# KiCad board lumpen.kicad_pcb (continued)
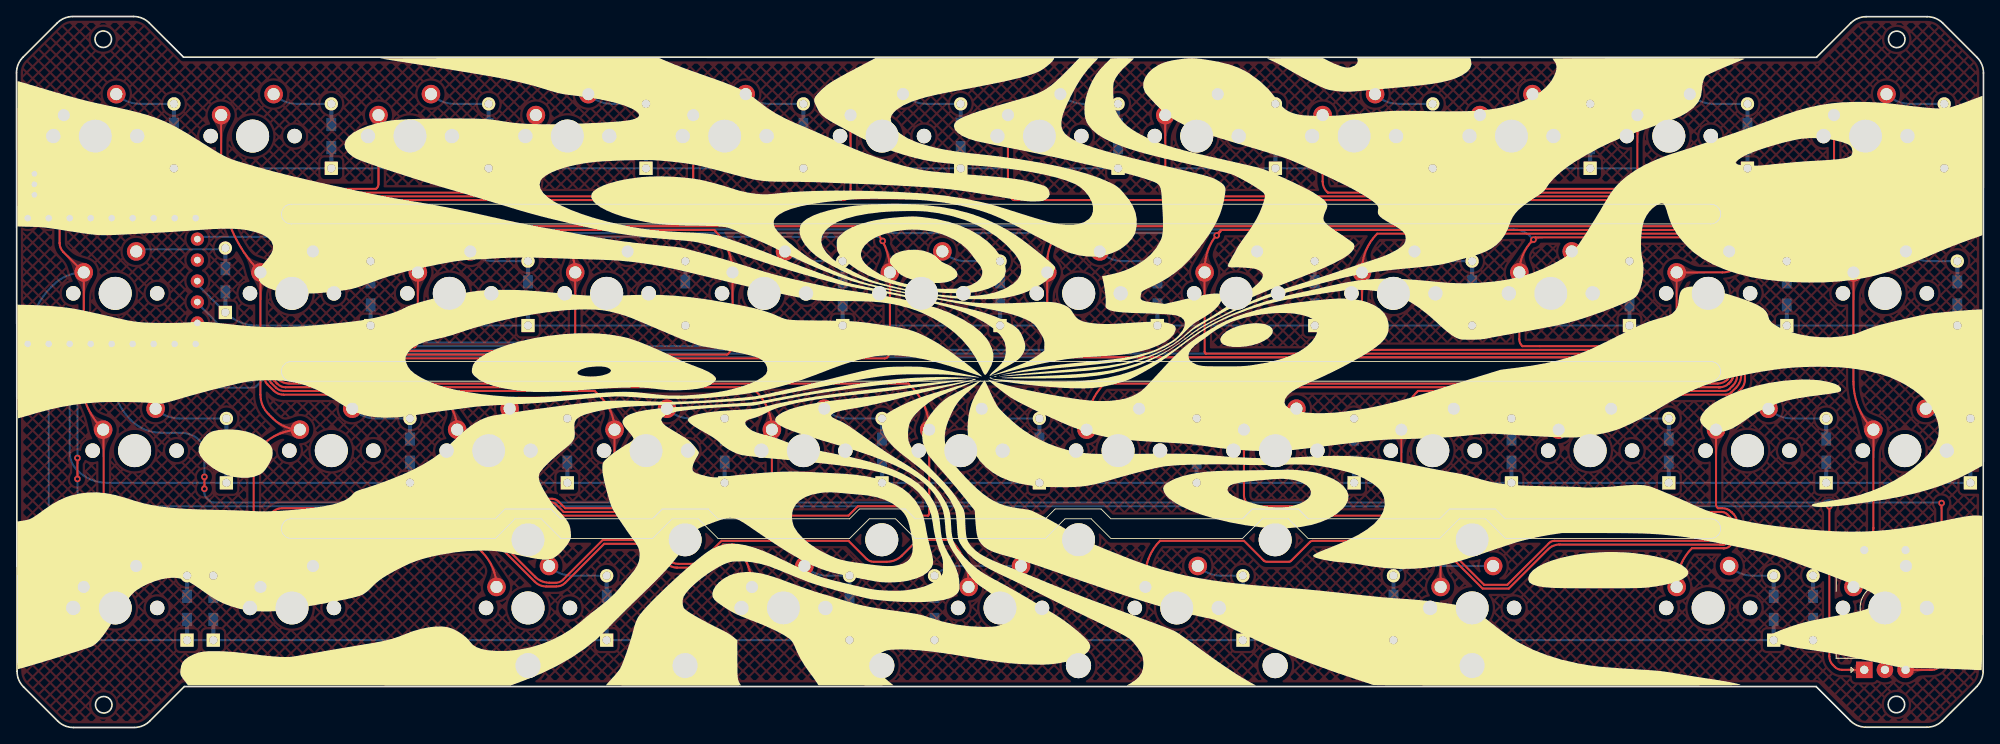
[diagram p0: board, top side]
## Copper pours and planes (outline as drawn; the poured copper is in the pictures) (continued)
ROW0 on Bottom: 230.98,67.61 231.13,67.6 231.27,67.6 231.4,67.59 231.52,67.58 231.63,67.57 231.73,67.55 231.83,67.54 231.92,67.51 232,67.49 232.08,67.46 232.17,67.43 232.25,67.4 232.33,67.36 232.41,67.32 232.9,67.07 233.02,67.01 233.77,67.73 233.02,68.45 232.9,68.39 232.41,68.14 232.33,68.1 232.25,68.07 232.17,68.03 232.08,68 232,67.97 231.92,67.95 231.83,67.93 231.73,67.91 231.63,67.89 231.52,67.88 231.4,67.87 231.27,67.86 231.13,67.86 230.98,67.86
ROW0 on Bottom: 17.47,67.61 17.66,67.6 17.81,67.57 17.94,67.53 18.05,67.47 18.14,67.41 18.24,67.33 18.33,67.26 18.44,67.17 18.56,67.09 18.71,67.01 19.46,67.73 18.71,68.45 18.56,68.37 18.44,68.29 18.33,68.21 18.24,68.13 18.14,68.05 18.05,67.99 17.94,67.93 17.81,67.89 17.66,67.87 17.47,67.86
ROW0 on Bottom: 16.67,67.61 16.82,67.6 16.96,67.6 17.09,67.59 17.21,67.58 17.32,67.57 17.42,67.55 17.51,67.54 17.6,67.51 17.69,67.49 17.77,67.46 17.85,67.43 17.93,67.4 18.02,67.36 18.1,67.32 18.59,67.07 18.71,67.01 19.46,67.73 18.71,68.45 18.59,68.39 18.1,68.14 18.02,68.1 17.93,68.07 17.85,68.03 17.77,68 17.69,67.97 17.6,67.95 17.51,67.93 17.42,67.91 17.32,67.89 17.21,67.88 17.09,67.87 16.96,67.86 16.82,67.86 16.67,67.86
ROW0 on Bottom: 211.15,67.86 210.96,67.87 210.81,67.89 210.68,67.93 210.57,67.99 210.48,68.05 210.38,68.13 210.29,68.21 210.18,68.29 210.06,68.37 209.91,68.45 209.16,67.73 209.91,67.01 210.06,67.09 210.18,67.17 210.29,67.26 210.38,67.33 210.48,67.41 210.57,67.47 210.68,67.53 210.81,67.57 210.96,67.6 211.15,67.61
ROW0 on Bottom: 231.78,67.61 231.97,67.6 232.12,67.57 232.25,67.53 232.36,67.47 232.46,67.41 232.55,67.33 232.64,67.26 232.75,67.17 232.87,67.09 233.02,67.01 233.77,67.73 233.02,68.45 232.87,68.37 232.75,68.29 232.64,68.21 232.55,68.13 232.46,68.05 232.36,67.99 232.25,67.93 232.12,67.89 231.97,67.87 231.78,67.86
ROW0 on Bottom: 20.65,67.86 20.46,67.87 20.31,67.89 20.18,67.93 20.07,67.99 19.98,68.05 19.88,68.13 19.79,68.21 19.68,68.29 19.56,68.37 19.41,68.45 18.66,67.73 19.41,67.01 19.56,67.09 19.68,67.17 19.79,67.26 19.88,67.33 19.98,67.41 20.07,67.47 20.18,67.53 20.31,67.57 20.46,67.6 20.65,67.61
ROW1 on Bottom: 23.43,52.29 23.34,52.39 23.25,52.48 23.17,52.57 23.1,52.65 23.03,52.73 22.97,52.81 22.92,52.89 22.87,52.96 22.83,53.03 22.8,53.11 22.77,53.18 22.74,53.26 22.73,53.34 22.71,53.42 22.7,53.51 22.69,53.6 22.69,53.7 22.69,53.81 22.69,53.92 22.69,54.04 21.73,54.44 21.37,53.47 21.48,53.37 21.59,53.29 21.69,53.22 21.79,53.15 21.88,53.09 21.97,53.04 22.05,52.99 22.38,52.8 22.46,52.76 22.55,52.7 22.63,52.65 22.73,52.58 22.82,52.51 22.92,52.43 23.03,52.34 23.14,52.23 23.26,52.12
ROW1 on Bottom: 24.07,51.3 24.2,51.17 24.29,51.04 24.35,50.92 24.38,50.8 24.41,50.69 24.42,50.57 24.43,50.45 24.45,50.31 24.48,50.17 24.53,50.01 25.57,49.99 25.54,51.02 25.38,51.07 25.24,51.1 25.1,51.12 24.98,51.13 24.86,51.15 24.75,51.17 24.63,51.21 24.51,51.27 24.39,51.36 24.25,51.48
ROW1 on Bottom: 40.48,48.56 40.63,48.55 40.77,48.55 40.9,48.54 41.02,48.53 41.13,48.52 41.23,48.5 41.33,48.49 41.42,48.46 41.5,48.44 41.58,48.41 41.67,48.38 41.75,48.35 41.83,48.31 41.91,48.27 42.4,48.02 42.52,47.96 43.27,48.68 42.52,49.4 42.4,49.34 41.91,49.09 41.83,49.05 41.75,49.02 41.67,48.98 41.58,48.95 41.5,48.92 41.42,48.9 41.33,48.88 41.23,48.86 41.13,48.84 41.02,48.83 40.9,48.82 40.77,48.81 40.63,48.81 40.48,48.81
ROW1 on Bottom: 26.62,49.43 26.47,49.52 26.36,49.62 26.28,49.72 26.23,49.82 26.19,49.93 26.16,50.04 26.14,50.16 26.11,50.29 26.07,50.43 26.02,50.59 24.98,50.53 25.08,49.5 25.25,49.46 25.4,49.44 25.54,49.43 25.78,49.42 25.9,49.41 26.03,49.39 26.17,49.35 26.33,49.3 26.5,49.21
ROW1 on Bottom: 233.37,48.56 233.56,48.55 233.71,48.52 233.84,48.48 233.95,48.42 234.04,48.36 234.14,48.28 234.23,48.21 234.34,48.12 234.46,48.04 234.61,47.96 235.36,48.68 234.61,49.4 234.46,49.32 234.34,49.24 234.23,49.16 234.14,49.08 234.04,49 233.95,48.94 233.84,48.88 233.71,48.84 233.56,48.82 233.37,48.81
ROW1 on Bottom: 212.73,48.56 212.92,48.55 213.07,48.52 213.2,48.48 213.31,48.42 213.41,48.36 213.5,48.28 213.59,48.21 213.7,48.12 213.82,48.04 213.97,47.96 214.72,48.68 213.97,49.4 213.82,49.32 213.7,49.24 213.59,49.16 213.5,49.08 213.41,49 213.31,48.94 213.2,48.88 213.07,48.84 212.92,48.82 212.73,48.81
ROW1 on Bottom: 215.91,48.81 215.72,48.82 215.57,48.84 215.44,48.88 215.33,48.94 215.24,49 215.15,49.08 215.05,49.16 214.94,49.24 214.82,49.32 214.67,49.4 213.92,48.68 214.67,47.96 214.82,48.04 214.94,48.12 215.05,48.21 215.15,48.28 215.24,48.36 215.33,48.42 215.44,48.48 215.57,48.52 215.72,48.55 215.91,48.56
ROW1 on Bottom: 41.28,48.56 41.47,48.55 41.62,48.52 41.75,48.48 41.86,48.42 41.96,48.36 42.05,48.28 42.14,48.21 42.25,48.12 42.37,48.04 42.52,47.96 43.27,48.68 42.52,49.4 42.37,49.32 42.25,49.24 42.14,49.16 42.05,49.08 41.96,49 41.86,48.94 41.75,48.88 41.62,48.84 41.47,48.82 41.28,48.81
ROW1 on Bottom: 27.34,49.11 27.2,49.16 27.08,49.21 26.97,49.27 26.87,49.32 26.79,49.37 26.71,49.43 26.63,49.49 26.57,49.55 26.51,49.61 26.46,49.67 26.41,49.74 26.36,49.82 26.32,49.9 26.28,49.98 26.24,50.07 26.2,50.16 26.07,50.47 26.02,50.59 24.98,50.53 25.08,49.5 25.21,49.46 26.4,49.16 26.49,49.13 26.6,49.1 26.71,49.06 26.83,49.02 26.96,48.98 27.1,48.93 27.25,48.88
ROW1 on Bottom: 23.5,51.87 23.61,51.76 23.71,51.66 23.79,51.56 23.87,51.47 23.94,51.39 24,51.3 24.05,51.22 24.1,51.14 24.14,51.07 24.18,50.99 24.22,50.91 24.25,50.83 24.28,50.74 24.31,50.66 24.48,50.13 24.53,50.01 25.57,49.99 25.54,51.02 25.42,51.07 24.89,51.24 24.81,51.27 24.72,51.3 24.64,51.33 24.56,51.37 24.48,51.41 24.41,51.45 24.33,51.5 24.25,51.55 24.16,51.61 24.08,51.68 23.99,51.76 23.89,51.84 23.79,51.94 23.68,52.05
ROW1 on Bottom: 232.57,48.56 232.72,48.55 232.86,48.55 232.99,48.54 233.11,48.53 233.22,48.52 233.32,48.5 233.41,48.49 233.5,48.46 233.59,48.44 233.67,48.41 233.75,48.38 233.83,48.35 233.92,48.31 234,48.27 234.49,48.02 234.61,47.96 235.36,48.68 234.61,49.4 234.49,49.34 234,49.09 233.92,49.05 233.83,49.02 233.75,48.98 233.67,48.95 233.59,48.92 233.5,48.9 233.41,48.88 233.32,48.86 233.22,48.84 233.11,48.83 232.99,48.82 232.86,48.81 232.72,48.81 232.57,48.81
ROW1 on Bottom: 45.26,48.81 45.11,48.81 44.97,48.81 44.84,48.82 44.72,48.83 44.61,48.84 44.51,48.86 44.42,48.88 44.33,48.9 44.24,48.92 44.16,48.95 44.08,48.98 44,49.02 43.92,49.05 43.83,49.09 43.34,49.34 43.22,49.4 42.47,48.68 43.22,47.96 43.34,48.02 43.83,48.27 43.92,48.31 44,48.35 44.08,48.38 44.16,48.41 44.24,48.44 44.33,48.46 44.42,48.49 44.51,48.5 44.61,48.52 44.72,48.53 44.84,48.54 44.97,48.55 45.11,48.55 45.26,48.56
ROW1 on Bottom: 211.93,48.56 212.08,48.55 212.22,48.55 212.35,48.54 212.47,48.53 212.58,48.52 212.68,48.5 212.78,48.49 212.87,48.46 212.95,48.44 213.03,48.41 213.12,48.38 213.2,48.35 213.28,48.31 213.36,48.27 213.85,48.02 213.97,47.96 214.72,48.68 213.97,49.4 213.85,49.34 213.36,49.09 213.28,49.05 213.2,49.02 213.12,48.98 213.03,48.95 212.95,48.92 212.87,48.9 212.78,48.88 212.68,48.86 212.58,48.84 212.47,48.83 212.35,48.82 212.22,48.81 212.08,48.81 211.93,48.81
ROW1 on Bottom: 22.87,52.86 22.76,52.98 22.68,53.1 22.64,53.2 22.62,53.31 22.61,53.41 22.62,53.52 22.64,53.63 22.66,53.76 22.68,53.89 22.69,54.04 21.73,54.44 21.37,53.47 21.52,53.35 21.65,53.27 21.78,53.21 21.9,53.16 22.02,53.11 22.14,53.07 22.26,53.01 22.39,52.93 22.54,52.83 22.69,52.68
ROW1 on Bottom: 44.46,48.81 44.27,48.82 44.12,48.84 43.99,48.88 43.88,48.94 43.79,49 43.7,49.08 43.6,49.16 43.49,49.24 43.37,49.32 43.22,49.4 42.47,48.68 43.22,47.96 43.37,48.04 43.49,48.12 43.6,48.21 43.7,48.28 43.79,48.36 43.88,48.42 43.99,48.48 44.12,48.52 44.27,48.55 44.46,48.56
ROW1 on Bottom: 216.71,48.81 216.56,48.81 216.42,48.81 216.29,48.82 216.17,48.83 216.06,48.84 215.96,48.86 215.87,48.88 215.78,48.9 215.69,48.92 215.61,48.95 215.53,48.98 215.45,49.02 215.37,49.05 215.28,49.09 214.79,49.34 214.67,49.4 213.92,48.68 214.67,47.96 214.79,48.02 215.28,48.27 215.37,48.31 215.45,48.35 215.53,48.38 215.61,48.41 215.69,48.44 215.78,48.46 215.87,48.49 215.96,48.5 216.06,48.52 216.17,48.53 216.29,48.54 216.42,48.55 216.56,48.55 216.71,48.56
ROW2 on Bottom: 6.57,44.86 6.58,45.05 6.6,45.2 6.65,45.33 6.7,45.44 6.77,45.54 6.84,45.63 6.92,45.73 7,45.83 7.08,45.96 7.16,46.11 6.44,46.85 5.72,46.11 5.8,45.96 5.89,45.83 5.97,45.73 6.05,45.63 6.12,45.54 6.18,45.44 6.24,45.33 6.28,45.2 6.31,45.05 6.32,44.86
ROW2 on Bottom: 23.82,29.51 24.01,29.5 24.16,29.47 24.29,29.43 24.4,29.37 24.49,29.31 24.59,29.23 24.68,29.16 24.79,29.07 24.91,28.99 25.06,28.91 25.81,29.63 25.06,30.35 24.91,30.27 24.79,30.19 24.68,30.11 24.59,30.03 24.49,29.95 24.4,29.89 24.29,29.83 24.16,29.79 24.01,29.77 23.82,29.76
ROW2 on Bottom: 23.02,29.51 23.17,29.5 23.31,29.5 23.44,29.49 23.56,29.48 23.67,29.47 23.77,29.45 23.86,29.44 23.95,29.41 24.04,29.39 24.12,29.36 24.2,29.33 24.28,29.3 24.37,29.26 24.45,29.22 24.94,28.97 25.06,28.91 25.81,29.63 25.06,30.35 24.94,30.29 24.45,30.04 24.37,30 24.28,29.97 24.2,29.93 24.12,29.9 24.04,29.87 23.95,29.85 23.86,29.83 23.77,29.81 23.67,29.79 23.56,29.78 23.44,29.77 23.31,29.76 23.17,29.76 23.02,29.76
ROW2 on Bottom: 217.49,29.51 217.68,29.5 217.84,29.47 217.96,29.43 218.07,29.37 218.17,29.31 218.26,29.23 218.36,29.16 218.46,29.07 218.59,28.99 218.74,28.91 219.48,29.63 218.74,30.35 218.59,30.27 218.46,30.19 218.36,30.11 218.26,30.03 218.17,29.95 218.07,29.89 217.96,29.83 217.84,29.79 217.68,29.77 217.49,29.76
ROW2 on Bottom: 216.69,29.51 216.85,29.5 216.99,29.5 217.12,29.49 217.23,29.48 217.34,29.47 217.44,29.45 217.54,29.44 217.63,29.41 217.71,29.39 217.8,29.36 217.88,29.33 217.96,29.3 218.04,29.26 218.12,29.22 218.61,28.97 218.74,28.91 219.48,29.63 218.74,30.35 218.61,30.29 218.12,30.04 218.04,30 217.96,29.97 217.88,29.93 217.8,29.9 217.71,29.87 217.63,29.85 217.54,29.83 217.44,29.81 217.34,29.79 217.23,29.78 217.12,29.77 216.99,29.76 216.85,29.76 216.69,29.76
ROW2 on Bottom: 234.96,29.51 235.14,29.5 235.3,29.47 235.43,29.43 235.53,29.37 235.63,29.31 235.72,29.23 235.82,29.16 235.93,29.07 236.05,28.99 236.2,28.91 236.95,29.63 236.2,30.35 236.05,30.27 235.93,30.19 235.82,30.11 235.72,30.03 235.63,29.95 235.53,29.89 235.43,29.83 235.3,29.79 235.14,29.77 234.96,29.76
ROW2 on Bottom: 220.67,29.76 220.49,29.77 220.33,29.79 220.21,29.83 220.1,29.89 220,29.95 219.91,30.03 219.81,30.11 219.71,30.19 219.58,30.27 219.43,30.35 218.68,29.63 219.43,28.91 219.58,28.99 219.71,29.07 219.81,29.16 219.91,29.23 220,29.31 220.1,29.37 220.21,29.43 220.33,29.47 220.49,29.5 220.67,29.51
ROW2 on Bottom: 221.47,29.76 221.32,29.76 221.18,29.76 221.05,29.77 220.93,29.78 220.83,29.79 220.72,29.81 220.63,29.83 220.54,29.85 220.45,29.87 220.37,29.9 220.29,29.93 220.21,29.97 220.13,30 220.05,30.04 219.55,30.29 219.43,30.35 218.68,29.63 219.43,28.91 219.55,28.97 220.05,29.22 220.13,29.26 220.21,29.3 220.29,29.33 220.37,29.36 220.45,29.39 220.54,29.41 220.63,29.44 220.72,29.45 220.83,29.47 220.93,29.48 221.05,29.49 221.18,29.5 221.32,29.5 221.47,29.51
ROW2 on Bottom: 27.8,29.76 27.65,29.76 27.51,29.76 27.38,29.77 27.26,29.78 27.15,29.79 27.05,29.81 26.95,29.83 26.86,29.85 26.78,29.87 26.7,29.9 26.62,29.93 26.53,29.97 26.45,30 26.37,30.04 25.88,30.29 25.76,30.35 25.01,29.63 25.76,28.91 25.88,28.97 26.37,29.22 26.45,29.26 26.53,29.3 26.62,29.33 26.7,29.36 26.78,29.39 26.86,29.41 26.95,29.44 27.05,29.45 27.15,29.47 27.26,29.48 27.38,29.49 27.51,29.5 27.65,29.5 27.8,29.51
ROW2 on Bottom: 6.57,44.06 6.57,44.22 6.57,44.36 6.58,44.49 6.59,44.6 6.6,44.71 6.62,44.81 6.64,44.91 6.66,45 6.68,45.08 6.71,45.17 6.74,45.25 6.78,45.33 6.81,45.41 6.85,45.49 7.1,45.98 7.16,46.11 6.44,46.85 5.72,46.11 5.78,45.98 6.03,45.49 6.07,45.41 6.11,45.33 6.14,45.25 6.17,45.17 6.2,45.08 6.23,45 6.25,44.91 6.27,44.81 6.28,44.71 6.29,44.6 6.3,44.49 6.31,44.36 6.32,44.22 6.32,44.06
ROW2 on Bottom: 234.16,29.51 234.31,29.5 234.45,29.5 234.58,29.49 234.7,29.48 234.81,29.47 234.91,29.45 235,29.44 235.09,29.41 235.18,29.39 235.26,29.36 235.34,29.33 235.42,29.3 235.5,29.26 235.59,29.22 236.08,28.97 236.2,28.91 236.95,29.63 236.2,30.35 236.08,30.29 235.59,30.04 235.5,30 235.42,29.97 235.34,29.93 235.26,29.9 235.18,29.87 235.09,29.85 235,29.83 234.91,29.81 234.81,29.79 234.7,29.78 234.58,29.77 234.45,29.76 234.31,29.76 234.16,29.76
ROW2 on Bottom: 27,29.76 26.81,29.77 26.66,29.79 26.53,29.83 26.42,29.89 26.33,29.95 26.23,30.03 26.14,30.11 26.03,30.19 25.91,30.27 25.76,30.35 25.01,29.63 25.76,28.91 25.91,28.99 26.03,29.07 26.14,29.16 26.23,29.23 26.33,29.31 26.42,29.37 26.53,29.43 26.66,29.47 26.81,29.5 27,29.51
ROW3 on Bottom: 21.43,10.46 21.58,10.45 21.72,10.45 21.85,10.44 21.97,10.43 22.08,10.42 22.18,10.4 22.28,10.39 22.37,10.36 22.45,10.34 22.53,10.31 22.62,10.28 22.7,10.25 22.78,10.21 22.86,10.17 23.35,9.92 23.47,9.86 24.22,10.58 23.47,11.3 23.35,11.24 22.86,10.99 22.78,10.95 22.7,10.92 22.62,10.88 22.53,10.85 22.45,10.82 22.37,10.8 22.28,10.78 22.18,10.76 22.08,10.74 21.97,10.73 21.85,10.72 21.72,10.71 21.58,10.71 21.43,10.71
ROW3 on Bottom: 215.12,10.71 214.97,10.71 214.83,10.71 214.7,10.72 214.58,10.73 214.48,10.74 214.37,10.76 214.28,10.78 214.19,10.8 214.1,10.82 214.02,10.85 213.94,10.88 213.86,10.92 213.78,10.95 213.7,10.99 213.2,11.24 213.08,11.3 212.33,10.58 213.08,9.86 213.2,9.92 213.7,10.17 213.78,10.21 213.86,10.25 213.94,10.28 214.02,10.31 214.1,10.34 214.19,10.36 214.28,10.39 214.37,10.4 214.48,10.42 214.58,10.43 214.7,10.44 214.83,10.45 214.97,10.45 215.12,10.46
ROW3 on Bottom: 215.91,10.46 216.09,10.45 216.25,10.42 216.38,10.38 216.48,10.32 216.58,10.26 216.67,10.18 216.77,10.11 216.88,10.02 217,9.94 217.15,9.86 217.9,10.58 217.15,11.3 217,11.22 216.88,11.14 216.77,11.06 216.67,10.98 216.58,10.9 216.48,10.84 216.38,10.78 216.25,10.74 216.09,10.72 215.91,10.71
ROW3 on Bottom: 4.03,44.06 4.03,44.22 4.03,44.36 4.04,44.49 4.05,44.6 4.06,44.71 4.08,44.81 4.1,44.91 4.12,45 4.14,45.08 4.17,45.17 4.2,45.25 4.24,45.33 4.27,45.41 4.31,45.49 4.56,45.98 4.62,46.11 3.9,46.85 3.18,46.11 3.24,45.98 3.49,45.49 3.53,45.41 3.57,45.33 3.6,45.25 3.63,45.17 3.66,45.08 3.69,45 3.71,44.91 3.73,44.81 3.74,44.71 3.75,44.6 3.76,44.49 3.77,44.36 3.78,44.22 3.78,44.06
ROW3 on Bottom: 215.11,10.46 215.26,10.45 215.4,10.45 215.53,10.44 215.65,10.43 215.76,10.42 215.86,10.4 215.95,10.39 216.04,10.36 216.13,10.34 216.21,10.31 216.29,10.28 216.37,10.25 216.45,10.21 216.54,10.17 217.03,9.92 217.15,9.86 217.9,10.58 217.15,11.3 217.03,11.24 216.54,10.99 216.45,10.95 216.37,10.92 216.29,10.88 216.21,10.85 216.13,10.82 216.04,10.8 215.95,10.78 215.86,10.76 215.76,10.74 215.65,10.73 215.53,10.72 215.4,10.71 215.26,10.71 215.11,10.71
ROW3 on Bottom: 214.32,10.71 214.14,10.72 213.98,10.74 213.86,10.78 213.75,10.84 213.65,10.9 213.56,10.98 213.46,11.06 213.36,11.14 213.23,11.22 213.08,11.3 212.33,10.58 213.08,9.86 213.23,9.94 213.36,10.02 213.46,10.11 213.56,10.18 213.65,10.26 213.75,10.32 213.86,10.38 213.98,10.42 214.14,10.45 214.32,10.46
ROW3 on Bottom: 25.41,10.71 25.22,10.72 25.07,10.74 24.94,10.78 24.83,10.84 24.74,10.9 24.65,10.98 24.55,11.06 24.44,11.14 24.32,11.22 24.17,11.3 23.42,10.58 24.17,9.86 24.32,9.94 24.44,10.02 24.55,10.11 24.65,10.18 24.74,10.26 24.83,10.32 24.94,10.38 25.07,10.42 25.22,10.45 25.41,10.46
ROW3 on Bottom: 22.23,10.46 22.42,10.45 22.57,10.42 22.7,10.38 22.81,10.32 22.91,10.26 23,10.18 23.09,10.11 23.2,10.02 23.32,9.94 23.47,9.86 24.22,10.58 23.47,11.3 23.32,11.22 23.2,11.14 23.09,11.06 23,10.98 22.91,10.9 22.81,10.84 22.7,10.78 22.57,10.74 22.42,10.72 22.23,10.71
ROW3 on Bottom: 4.03,44.86 4.04,45.05 4.06,45.2 4.11,45.33 4.16,45.44 4.23,45.54 4.3,45.63 4.38,45.73 4.46,45.83 4.54,45.96 4.62,46.11 3.9,46.85 3.18,46.11 3.26,45.96 3.35,45.83 3.43,45.73 3.51,45.63 3.58,45.54 3.64,45.44 3.7,45.33 3.74,45.2 3.77,45.05 3.78,44.86
ROW3 on Bottom: 26.21,10.71 26.06,10.71 25.92,10.71 25.79,10.72 25.67,10.73 25.56,10.74 25.46,10.76 25.37,10.78 25.28,10.8 25.19,10.82 25.11,10.85 25.03,10.88 24.95,10.92 24.87,10.95 24.78,10.99 24.29,11.24 24.17,11.3 23.42,10.58 24.17,9.86 24.29,9.92 24.78,10.17 24.87,10.21 24.95,10.25 25.03,10.28 25.11,10.31 25.19,10.34 25.28,10.36 25.37,10.39 25.46,10.4 25.56,10.42 25.67,10.43 25.79,10.44 25.92,10.45 26.06,10.45 26.21,10.46
Net-(D6-Pad2) on Bottom: 33.1,75.76 32.87,75.83 32.7,75.92 32.58,76.03 32.49,76.16 32.42,76.3 32.38,76.46 32.33,76.64 32.28,76.82 32.22,77.02 32.13,77.22 30.68,77.05 30.91,75.61 31.16,75.57 31.39,75.55 31.58,75.55 31.76,75.56 31.93,75.58 32.11,75.6 32.3,75.6 32.51,75.6 32.76,75.57 33.04,75.51
Net-(D6-Pad2) on Bottom: 35.72,75.41 35.87,75.4 36.01,75.4 36.14,75.39 36.26,75.38 36.37,75.37 36.47,75.35 36.56,75.34 36.65,75.31 36.74,75.29 36.82,75.26 36.9,75.23 36.98,75.2 37.07,75.16 37.15,75.12 37.64,74.87 37.76,74.81 38.51,75.53 37.76,76.25 37.64,76.19 37.15,75.94 37.07,75.9 36.98,75.87 36.9,75.83 36.82,75.8 36.74,75.77 36.65,75.75 36.56,75.73 36.47,75.71 36.37,75.69 36.26,75.68 36.14,75.67 36.01,75.66 35.87,75.66 35.72,75.66
Net-(D6-Pad2) on Bottom: 36.52,75.41 36.71,75.4 36.86,75.37 36.99,75.33 37.1,75.27 37.19,75.21 37.29,75.13 37.38,75.06 37.49,74.97 37.61,74.89 37.76,74.81 38.51,75.53 37.76,76.25 37.61,76.17 37.49,76.09 37.38,76.01 37.29,75.93 37.19,75.85 37.1,75.79 36.99,75.73 36.86,75.69 36.71,75.67 36.52,75.66
Net-(D6-Pad2) on Bottom: 34.19,75.66 34,75.66 33.83,75.67 33.67,75.69 33.53,75.72 33.39,75.76 33.27,75.8 33.16,75.85 33.05,75.91 32.96,75.98 32.87,76.06 32.78,76.14 32.71,76.23 32.63,76.33 32.56,76.43 32.49,76.55 32.42,76.67 32.35,76.8 32.28,76.93 32.13,77.22 30.68,77.05 31.12,75.59 31.32,75.58 31.5,75.58 31.67,75.58 31.82,75.57 31.96,75.56 32.1,75.55 32.23,75.54 32.84,75.47 32.97,75.46 33.11,75.45 33.25,75.43 33.41,75.42 33.58,75.42 33.77,75.41 33.97,75.41 34.19,75.41
Net-(D7-Pad2) on Bottom: 40.48,56.36 40.63,56.35 40.77,56.35 40.9,56.34 41.02,56.33 41.13,56.32 41.23,56.3 41.33,56.29 41.42,56.26 41.5,56.24 41.58,56.21 41.67,56.18 41.75,56.15 41.83,56.11 41.91,56.07 42.4,55.82 42.52,55.76 43.27,56.48 42.52,57.2 42.4,57.14 41.91,56.89 41.83,56.85 41.75,56.82 41.67,56.78 41.58,56.75 41.5,56.72 41.42,56.7 41.33,56.68 41.23,56.66 41.13,56.64 41.02,56.63 40.9,56.62 40.77,56.61 40.63,56.61 40.48,56.61
Net-(D7-Pad2) on Bottom: 37.86,56.71 37.64,56.78 37.47,56.87 37.34,56.98 37.25,57.11 37.19,57.25 37.14,57.41 37.09,57.59 37.04,57.77 36.98,57.97 36.89,58.17 35.44,58 35.67,56.56 35.93,56.52 36.15,56.5 36.34,56.5 36.52,56.51 36.7,56.53 36.87,56.55 37.06,56.55 37.27,56.55 37.52,56.52 37.81,56.46
Net-(D7-Pad2) on Bottom: 41.28,56.36 41.47,56.35 41.62,56.32 41.75,56.28 41.86,56.22 41.96,56.16 42.05,56.08 42.14,56.01 42.25,55.92 42.37,55.84 42.52,55.76 43.27,56.48 42.52,57.2 42.37,57.12 42.25,57.04 42.14,56.96 42.05,56.88 41.96,56.8 41.86,56.74 41.75,56.68 41.62,56.64 41.47,56.62 41.28,56.61
Net-(D7-Pad2) on Bottom: 38.95,56.61 38.76,56.61 38.59,56.62 38.43,56.64 38.29,56.67 38.16,56.71 38.03,56.75 37.92,56.8 37.82,56.86 37.72,56.93 37.63,57.01 37.55,57.09 37.47,57.18 37.39,57.28 37.32,57.38 37.25,57.5 37.18,57.62 37.11,57.75 37.04,57.88 36.89,58.17 35.44,58 35.89,56.54 36.08,56.53 36.26,56.53 36.43,56.53 36.58,56.52 36.72,56.51 36.86,56.5 36.99,56.49 37.6,56.42 37.73,56.41 37.87,56.4 38.02,56.38 38.17,56.37 38.34,56.37 38.53,56.36 38.73,56.36 38.95,56.36
Net-(D8-Pad2) on Bottom: 46.04,37.31 46.23,37.3 46.39,37.27 46.51,37.23 46.62,37.17 46.72,37.11 46.81,37.03 46.91,36.96 47.01,36.87 47.14,36.79 47.29,36.71 48.03,37.43 47.29,38.15 47.14,38.07 47.01,37.99 46.91,37.91 46.81,37.83 46.72,37.75 46.62,37.69 46.51,37.63 46.39,37.59 46.23,37.57 46.04,37.56
Net-(D8-Pad2) on Bottom: 42.62,37.66 42.4,37.73 42.23,37.82 42.1,37.93 42.01,38.06 41.95,38.2 41.9,38.36 41.86,38.54 41.81,38.72 41.74,38.92 41.65,39.12 40.2,38.95 40.43,37.51 40.69,37.47 40.91,37.45 41.11,37.45 41.29,37.46 41.46,37.48 41.63,37.5 41.82,37.5 42.04,37.5 42.28,37.47 42.57,37.41
Net-(D8-Pad2) on Bottom: 45.24,37.31 45.4,37.3 45.54,37.3 45.67,37.29 45.78,37.28 45.89,37.27 45.99,37.25 46.09,37.24 46.18,37.21 46.26,37.19 46.35,37.16 46.43,37.13 46.51,37.1 46.59,37.06 46.67,37.02 47.16,36.77 47.29,36.71 48.03,37.43 47.29,38.15 47.16,38.09 46.67,37.84 46.59,37.8 46.51,37.77 46.43,37.73 46.35,37.7 46.26,37.67 46.18,37.65 46.09,37.63 45.99,37.61 45.89,37.59 45.78,37.58 45.67,37.57 45.54,37.56 45.4,37.56 45.24,37.56
Net-(D8-Pad2) on Bottom: 43.71,37.56 43.53,37.56 43.36,37.57 43.2,37.59 43.05,37.62 42.92,37.66 42.8,37.7 42.68,37.75 42.58,37.81 42.48,37.88 42.39,37.96 42.31,38.04 42.23,38.13 42.16,38.23 42.08,38.33 42.01,38.45 41.94,38.57 41.87,38.7 41.8,38.83 41.65,39.12 40.2,38.95 40.65,37.49 40.85,37.48 41.02,37.48 41.19,37.48 41.34,37.47 41.49,37.46 41.62,37.45 41.75,37.44 42.36,37.37 42.5,37.36 42.63,37.35 42.78,37.33 42.94,37.32 43.11,37.32 43.29,37.31 43.49,37.31 43.71,37.31
Net-(D9-Pad2) on Bottom: 25.89,19.61 23.67,19.17 23.51,18.13 24.55,18.05 24.69,18.36 24.74,18.46 24.78,18.55 24.83,18.63 24.87,18.71 24.92,18.79 24.97,18.86 25.02,18.93 25.08,18.99 25.14,19.04 25.21,19.1 25.29,19.15 25.37,19.19 25.46,19.23 25.56,19.27 25.68,19.31 25.8,19.34 25.93,19.37
Net-(D9-Pad2) on Bottom: 32.52,19.44 32.73,19.43 32.93,19.43 33.11,19.42 33.28,19.4 33.43,19.38 33.58,19.35 33.71,19.33 33.83,19.29 33.95,19.25 34.07,19.21 34.18,19.16 34.3,19.11 34.41,19.06 34.53,19 34.92,18.79 35.06,18.72 35.22,18.63 35.4,18.55 36.45,19.56 35.4,20.57 35.22,20.49 35.06,20.41 34.92,20.33 34.53,20.13 34.41,20.07 34.3,20.01 34.18,19.96 34.07,19.91 33.95,19.87 33.83,19.83 33.71,19.8 33.58,19.77 33.43,19.74 33.28,19.72 33.11,19.71 32.93,19.7 32.73,19.69 32.52,19.69
Net-(D9-Pad2) on Bottom: 25.1,19.38 24.91,19.31 24.74,19.26 24.6,19.24 24.47,19.22 24.35,19.22 24.23,19.22 24.1,19.22 23.97,19.21 23.81,19.19 23.64,19.16 23.51,18.13 24.55,18.05 24.61,18.19 24.65,18.33 24.68,18.46 24.71,18.58 24.74,18.7 24.78,18.8 24.84,18.9 24.92,18.99 25.04,19.07 25.19,19.15
Net-(D9-Pad2) on Bottom: 33.64,19.44 33.91,19.42 34.13,19.38 34.31,19.32 34.46,19.23 34.59,19.14 34.72,19.03 34.86,18.91 35.01,18.79 35.18,18.67 35.4,18.55 36.45,19.56 35.4,20.57 35.18,20.46 35.01,20.34 34.86,20.21 34.72,20.1 34.59,19.99 34.46,19.89 34.31,19.81 34.13,19.74 33.91,19.7 33.64,19.69
Net-(D13-Pad2) on Bottom: 71.2,75.76 70.97,75.83 70.8,75.92 70.68,76.03 70.59,76.16 70.52,76.3 70.48,76.46 70.43,76.64 70.38,76.82 70.32,77.02 70.23,77.22 68.78,77.05 69.01,75.61 69.26,75.57 69.49,75.55 69.68,75.55 69.86,75.56 70.03,75.58 70.21,75.6 70.4,75.6 70.61,75.6 70.86,75.57 71.14,75.51
Net-(D13-Pad2) on Bottom: 73.82,75.41 73.97,75.4 74.11,75.4 74.24,75.39 74.36,75.38 74.47,75.37 74.57,75.35 74.66,75.34 74.75,75.31 74.84,75.29 74.92,75.26 75,75.23 75.08,75.2 75.17,75.16 75.25,75.12 75.74,74.87 75.86,74.81 76.61,75.53 75.86,76.25 75.74,76.19 75.25,75.94 75.17,75.9 75.08,75.87 75,75.83 74.92,75.8 74.84,75.77 74.75,75.75 74.66,75.73 74.57,75.71 74.47,75.69 74.36,75.68 74.24,75.67 74.11,75.66 73.97,75.66 73.82,75.66
Net-(D13-Pad2) on Bottom: 74.62,75.41 74.81,75.4 74.96,75.37 75.09,75.33 75.2,75.27 75.29,75.21 75.39,75.13 75.48,75.06 75.59,74.97 75.71,74.89 75.86,74.81 76.61,75.53 75.86,76.25 75.71,76.17 75.59,76.09 75.48,76.01 75.39,75.93 75.29,75.85 75.2,75.79 75.09,75.73 74.96,75.69 74.81,75.67 74.62,75.66
Net-(D13-Pad2) on Bottom: 72.29,75.66 72.1,75.66 71.93,75.67 71.77,75.69 71.63,75.72 71.49,75.76 71.37,75.8 71.26,75.85 71.15,75.91 71.06,75.98 70.97,76.06 70.88,76.14 70.81,76.23 70.73,76.33 70.66,76.43 70.59,76.55 70.52,76.67 70.45,76.8 70.38,76.93 70.23,77.22 68.78,77.05 69.22,75.59 69.42,75.58 69.6,75.58 69.77,75.58 69.92,75.57 70.06,75.56 70.2,75.55 70.33,75.54 70.94,75.47 71.07,75.46 71.21,75.45 71.35,75.43 71.51,75.42 71.68,75.42 71.87,75.41 72.07,75.41 72.29,75.41
Net-(D14-Pad2) on Bottom: 75.96,56.71 75.74,56.78 75.57,56.87 75.44,56.98 75.35,57.11 75.29,57.25 75.24,57.41 75.19,57.59 75.14,57.77 75.08,57.97 74.99,58.17 73.54,58 73.77,56.56 74.03,56.52 74.25,56.5 74.44,56.5 74.62,56.51 74.8,56.53 74.97,56.55 75.16,56.55 75.37,56.55 75.62,56.52 75.91,56.46
Net-(D14-Pad2) on Bottom: 77.05,56.61 76.86,56.61 76.69,56.62 76.53,56.64 76.39,56.67 76.26,56.71 76.13,56.75 76.02,56.8 75.92,56.86 75.82,56.93 75.73,57.01 75.65,57.09 75.57,57.18 75.49,57.28 75.42,57.38 75.35,57.5 75.28,57.62 75.21,57.75 75.14,57.88 74.99,58.17 73.54,58 73.99,56.54 74.18,56.53 74.36,56.53 74.53,56.53 74.68,56.52 74.82,56.51 74.96,56.5 75.09,56.49 75.7,56.42 75.83,56.41 75.97,56.4 76.12,56.38 76.27,56.37 76.44,56.37 76.63,56.36 76.83,56.36 77.05,56.36
Net-(D14-Pad2) on Bottom: 79.38,56.36 79.57,56.35 79.72,56.32 79.85,56.28 79.96,56.22 80.06,56.16 80.15,56.08 80.24,56.01 80.35,55.92 80.47,55.84 80.62,55.76 81.37,56.48 80.62,57.2 80.47,57.12 80.35,57.04 80.24,56.96 80.15,56.88 80.06,56.8 79.96,56.74 79.85,56.68 79.72,56.64 79.57,56.62 79.38,56.61
Net-(D14-Pad2) on Bottom: 78.58,56.36 78.73,56.35 78.87,56.35 79,56.34 79.12,56.33 79.23,56.32 79.33,56.3 79.43,56.29 79.52,56.26 79.6,56.24 79.68,56.21 79.77,56.18 79.85,56.15 79.93,56.11 80.01,56.07 80.5,55.82 80.62,55.76 81.37,56.48 80.62,57.2 80.5,57.14 80.01,56.89 79.93,56.85 79.85,56.82 79.77,56.78 79.68,56.75 79.6,56.72 79.52,56.7 79.43,56.68 79.33,56.66 79.23,56.64 79.12,56.63 79,56.62 78.87,56.61 78.73,56.61 78.58,56.61